# KiCad board austin.kicad_pcb (continued)
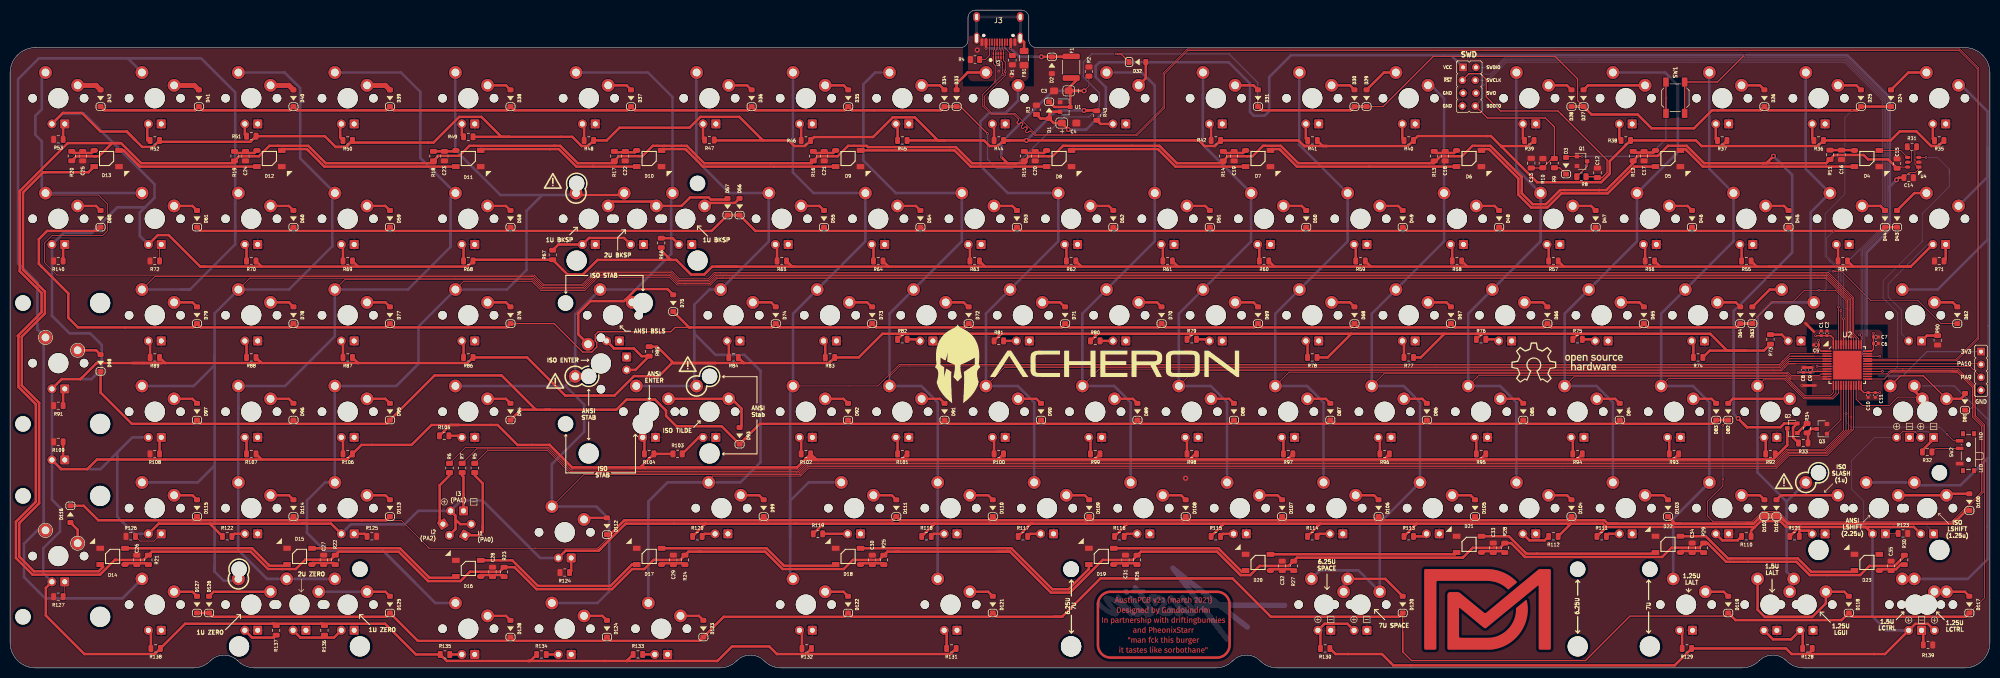
[diagram p0: board, top side]
## Routing (per net, layer and track width the routed paths; a pad name or vN(x,y) marks a point on that pad's centre or on a via; arc(x,y) is an arc through that point) (continued)
Net-(LED42-PadK): length 3.6
  Top w0.508: LED42.K 378.57,65.63 R90.2
Net-(LED43-PadK): length 3.5
  Top w0.508: LED43.K 10.46,54.77 R91.1
Net-(LED44-PadA): length 4
  Top w0.508: LED44.A 349.91,65.82 R73.2
Net-(LED45-PadA): length 3.3
  Top w0.508: R74.2 332.44,64.57
Net-(LED46-PadA): length 2.6
  Top w0.508: R75.2 313.06,64.88
Net-(LED47-PadA): length 2.7
  Top w0.508: 294,64.57 293.69,64.88 R76.2
Net-(LED48-PadA): length 3.4
  Top w0.508: R77.2 275.29,64.24 LED48.A
Net-(LED49-PadA): length 3.4
  Top w0.508: R78.2 256.24,64.24 LED49.A
Net-(LED50-PadA): length 2.7
  Top w0.508: R79.2 236.54,64.88 LED50.A
Net-(LED51-PadA): length 2.6
  Top w0.508: R80.2 LED51.A
Net-(LED52-PadA): length 2.6
  Top w0.508: R81.2 LED52.A
Net-(LED53-PadA): length 2.7
  Top w0.508: R82.2 179.39,64.88 LED53.A
Net-(LED54-PadA): length 3.3
  Top w0.508: R83.2 160.99,64.57
Net-(LED55-PadA): length 3.3
  Top w0.508: R84.2 141.94,64.57
Net-(LED56-PadA): length 15.2
  Top w0.508: LED56.A 119.27,63.09 123.19,63.09 124.71,61.57 R85.2 123.49,58.85 LED57.A
Net-(LED58-PadA): length 3.3
  Top w0.508: R86.2 89.55,64.57
Net-(LED59-PadA): length 3.3
  Top w0.508: R87.2 65.74,64.57
Net-(LED60-PadA): length 3.3
  Top w0.508: R88.2 46.69,64.57
Net-(LED61-PadA): length 3.3
  Top w0.508: R89.2 27.64,64.57
Net-(LED62-PadK): length 3.3
  Top w0.508: R108.1 29.51,45.52
Net-(LED63-PadK): length 3.6
  Top w0.508: R109.1 10.46,41.07
Net-(LED64-PadA): length 3.4
  Top w0.508: LED64.A 346.73,45.19 R92.2
Net-(LED65-PadA): length 3.4
  Top w0.508: R93.2 327.68,45.19 LED65.A
Net-(LED66-PadA): length 3.4
  Top w0.508: R94.2 308.62,45.19 LED66.A
Net-(LED67-PadA): length 3.4
  Top w0.508: R95.2 289.57,45.19 LED67.A
Net-(LED68-PadA): length 3.4
  Top w0.508: R96.2 270.53,45.19 LED68.A
Net-(LED69-PadA): length 3.4
  Top w0.508: LED69.A 251.48,45.19 R97.2
Net-(LED70-PadA): length 3.4
  Top w0.508: LED70.A 232.43,45.19 R98.2
Net-(LED71-PadA): length 3.4
  Top w0.508: R99.2 213.38,45.19 LED71.A
Net-(LED72-PadA): length 3.4
  Top w0.508: R100.2 194.32,45.19 LED72.A
Net-(LED73-PadA): length 3.4
  Top w0.508: LED73.A 175.27,45.19 R101.2
Net-(LED74-PadA): length 3.4
  Top w0.508: R102.2 156.23,45.19 LED74.A
Net-(LED75-PadA): length 5.5
  Top w0.508: LED75.A 136,45.52 R103.2
Net-(LED76-PadA): length 3.4
  Top w0.508: R104.2 125.27,45.19 LED76.A
Net-(LED77-PadA): length 2.7
  Top w0.508: LED77.A 88.91,45.83 R105.2
Net-(LED78-PadA): length 3.4
  Top w0.508: R106.2 65.74,45.19 65.41,45.52
Net-(LED79-PadA): length 3.4
  Top w0.508: R107.2 46.69,45.19 LED79.A
Net-(LED80-PadK): length 14
  Top w0.152: LED81.K 372.24,26.47 372.92,27.15
  Bottom w0.152: LED80.K 379.88,26.73 378.28,28.33 372.23,28.33 LED81.K
Net-(LED82-PadK): length 3
  Top w0.508: LED82.K 110.81,19.16 R124.1
Net-(LED83-PadK): length 2.8
  Top w0.508: LED83.K 70,26.47 R125.1
Net-(LED84-PadK): length 6.1
  Top w0.152: LED84.K 28.42,25.05 25.68,25.05 R126.2
Net-(LED85-PadK): length 3.1
  Top w0.152: R127.1 10.79,14.4 LED85.K
Net-(LED86-PadA): length 6
  Top w0.508: R110.2 341.16,25.18 338.16,25.18 LED86.A
Net-(LED87-PadA): length 2.8
  Top w0.508: LED87.A 315.76,26.47 R111.2
Net-(LED88-PadA): length 6
  Top w0.508: LED88.A 300.06,25.18 303.06,25.18 R112.2
Net-(LED89-PadA): length 2.8
  Top w0.508: R113.2 279.22,25.97 LED89.A
Net-(LED90-PadA): length 2.8
  Top w0.508: R114.2 258.61,26.47 LED90.A
Net-(LED91-PadA): length 2.8
  Top w0.508: R115.2 239.56,26.47 LED91.A
Net-(LED92-PadA): length 2.8
  Top w0.508: LED92.A 220.51,26.47 R116.2
Net-(LED93-PadA): length 2.8
  Top w0.508: R117.2 201.46,26.47 LED93.A
Net-(LED94-PadA): length 2.8
  Top w0.508: LED94.A 182.41,26.47 R118.2
Net-(LED95-PadA): length 4.9
  Top w0.508: LED95.A R119.2
Net-(LED96-PadA): length 2.8
  Top w0.508: R120.2 137.17,26.47 LED96.A
Net-(LED97-PadA): length 3.8
  Top w0.508: LED97.A 355.28,27.11 353.55,27.11 353.36,26.92 R121.2
Net-(LED98-PadA): length 2.8
  Top w0.508: R122.2 44.3,26.47 LED98.A
Net-(LED100-PadK): length 2.9
  Top w0.508: R139.1 377.84,7.41
Net-(LED101-PadK): length 3.9
  Top w0.152: 10.8,80.69 R140.1
  Top w0.508: LED101.K 10.46,83.29 R140.1
Net-(LED102-PadA): length 12.4
  Top w0.508: R128.2 354.03,6.91 LED103.A 351.75,5.63 348.17,5.63 LED102.A
Net-(LED104-PadA): length 3.8
  Top w0.508: LED104.A 330.22,6.93 R129.2
Net-(LED105-PadA): length 12
  Top w0.508: LED106.A 264.12,8.72 259.58,8.72 LED105.A 258.78,6.93 R130.2
Net-(LED107-PadA): length 3.8
  Top w0.508: R131.2 184.96,6.93 LED107.A
Net-(LED108-PadA): length 3.8
  Top w0.508: R132.2 156.39,6.93 LED108.A
Net-(LED109-PadA): length 2.4
  Top w0.508: R133.2 LED109.A
Net-(LED110-PadA): length 2.4
  Top w0.508: LED110.A 108.26,2.65 R134.2
Net-(LED111-PadA): length 2.4
  Top w0.508: R135.2 89.2,2.65 LED111.A
Net-(LED112-PadA): length 11.4
  Top w0.508: 61.59,5.99 63.97,5.99 65.41,7.42 ; 61.59,5.99 57.31,5.99 LED112.A ; 61.59,5.99 R136.2
Net-(LED114-PadA): length 7
  Top w0.508: R137.2 52.07,5.99 47.79,5.99 LED114.A
Net-(LED115-PadA): length 3.8
  Top w0.508: LED115.A 27.8,6.93 R138.2
Net-(LEDCAPS1-PadK): length 7.1
  Top w0.508: 89.27,37.99 89.54,37.72 LEDCAPS1.K
Net-(LEDNUM1-PadK): length 10.8
  Top w0.508: 86.11,28.56 85.98,28.56 ; 86.77,37.99 84.84,36.06 84.84,29.03 LEDNUM1.K
Net-(LEDSCR1-PadK): length 16.7
  Top w0.508: 93.35,26.97 93.35,28.12 ; 93.35,26.97 92.56,26.19 89.8,26.19 ; 93.35,26.97 93.35,36.42 91.77,37.99
Net-(Q1-Pad3): length 3.9
  Top w0.254: R8.1 311.45,99.05 Q1.3
Net-(Q2-Pad1): length 2.7
  Top w0.508: R34.1 354.87,48.27 Q2.1
Net-(Q3-Pad3): length 4.2
  Top w0.508: Q3.3 355.71,47.21 R34.2 ; R33.2 355.08,46.4
Net-(R31-Pad1): length 4
  Top w0.152: R31.1 375.52,102.06 375.52,100.09 375.29,99.87 U4.5
Net-(R32-Pad1): length 6
  Top w0.152: 379.55,42.92 379.56,42.92 R32.1 380.26,43.35 SW2.2

## Copper pours and planes (outline as drawn; the poured copper is in the pictures)
3V3 on Bottom: 369.84,52.8 355.84,52.8 355.84,66.8 369.84,66.8
GND on Top: 201.18,115.85 197.43,115.85 197.43,114.85 202.18,114.85 202.18,124.42 392.91,124.42 392.91,-1.79 -2.38,-1.79 -2.38,124.42 188.18,124.42 188.18,114.85 194.43,114.85 194.43,115.85 189.18,115.85 189.18,124.85 201.18,124.85 ; 1 cut-out
GND on Top: 369.84,52.8 355.84,52.8 355.84,66.8 369.84,66.8
GND on Bottom: 201.18,115.85 197.43,115.85 197.43,114.85 202.18,114.85 202.18,124.42 392.91,124.42 392.91,-1.79 -2.38,-1.79 -2.38,124.42 188.18,124.42 188.18,114.85 194.43,114.85 194.43,115.85 189.18,115.85 189.18,124.85 201.18,124.85 ; 1 cut-out
(no net) on Top: 298.61,9.71 294.04,5.4 285.02,5.27 285.02,13.91 291.12,9.33 298.61,14.67

## Text on the board
User.Comments: TRACE WIDTH: 6 mil (approx. 0.15 mm) | MINIMUM CLEARANCE: 6 mil | VIA HOLE SIZE: 12 mil (approx. 0.3mm) | VIA DIAMETER: 20 mil (approx. 0.5mm) | VIA-TO-VIA AND VIA-TO-TRACE CLEARANCE: 6 mil | SILKSCREEN CHARACTER HEIGHT: 25 mil (see General Observation (v)) | SILKSCREEN CHARACTER TRACE WIDTH: 6 mil | TRACE-TO-EDGE AND VIA-TO-EDGE DISTANCE: 8 mil | These are general hints to use this PCB file. They are aimed specially at thoise new to KiCad or ECAD in / general and to whoever wishes to use this project. | (I) If you want to check or reroute a specific trace, it is recommended that you use the High Contrast mode. / Turn it on at View > Contrast mode > Check "High Contrast Mode". The icon is also available at the left / icon column. | (II) It is recommended that the user has some knowledge in Git usage, since it is the main VCS tool used / for the Acheron Project. | (III) All footprints are available either through KiCad's native libraries or the Acheron Library / (http://github.com/Gondolindrim/AcheronLibrary). To facilitate the portability of the Acheron projects, this / library is generally added at the ${KIPRJMOD} folder as a Git submodule. Hence, right after cloning the / PCB repository, run: / $ git submodule init --update / To update the submodules. | (IV) For detailed information, check the Acheron Docs page: / http://acheronproject.com | (i) The grid unit (1U) value used was 3/4" = 19.05mm | (ii) The PCB was designed to fit the standards of the most manufacturers, at their cheapest settings. | Be aware that capabilities may vary among manufacturers, so be sure to check with your manufacturer if / they support the minimum values used. | (iii) All parts were quoted on the LCSC supplier (https://lcsc.com). | Also be sure to check with your parts supplier if they have all the necessary parts in the Bill of Materials / and change parts and footprints accordingly to availability. | (iv) You can always contact Gondolindrim through: | (v) Most manufacturers list minimum character height as 0.8mm, and warn that any words using values / below that will be undiscernable or unreadable. I have found that values down to 0.6mm (25 thou) can / be used, although at that level a really close look is needed. Indeed, the minimum character height at / which characters are easily readable is 0.8mm | - GitHub page: http://github.com/Gondolindrim | - E-mail: gondolindrim@acheronproject.com | - Discord: Gondolindrim#9738 | - Reddit: /u/gondolindrim | MINIMUM VALUES | USAGE GUIDE (PLEASE READ) | GENERAL OBSERVATIONS
User.Eco2: Case outer wall | Case inner wall | Slot limit | Connector slot / mid-line
F.Silkscreen: IND | LED | 6.25U / 7U | I1 / (PA0) | I3 / (PA1) | GND | I2 / (PA2) | 3V3 | PA10 | PA9 | 6.25U | 7U | 1U ZERO | 2U ZERO | 1U BKSP | ISO ENTER | ANSI / STAB | ISO / STAB | ISO STAB | 2U BKSP | ANSI BSLS | ANSI / ENTER | ISO TILDE | ANSI / Stab | 6.25U / SPACE | 7U SPACE | 1.25U / LALT | 1.5U / LALT | 1.25U / LGUI | ISO / SLASH / (1u) | ANSI / LSHIFT / (2.25u) | 1.5U / LCTRL | 1.25U / LCTRL | ISO / LSHIFT / (1.25u)
